# KiCad board cm4-baseboard.kicad_pcb (continued)
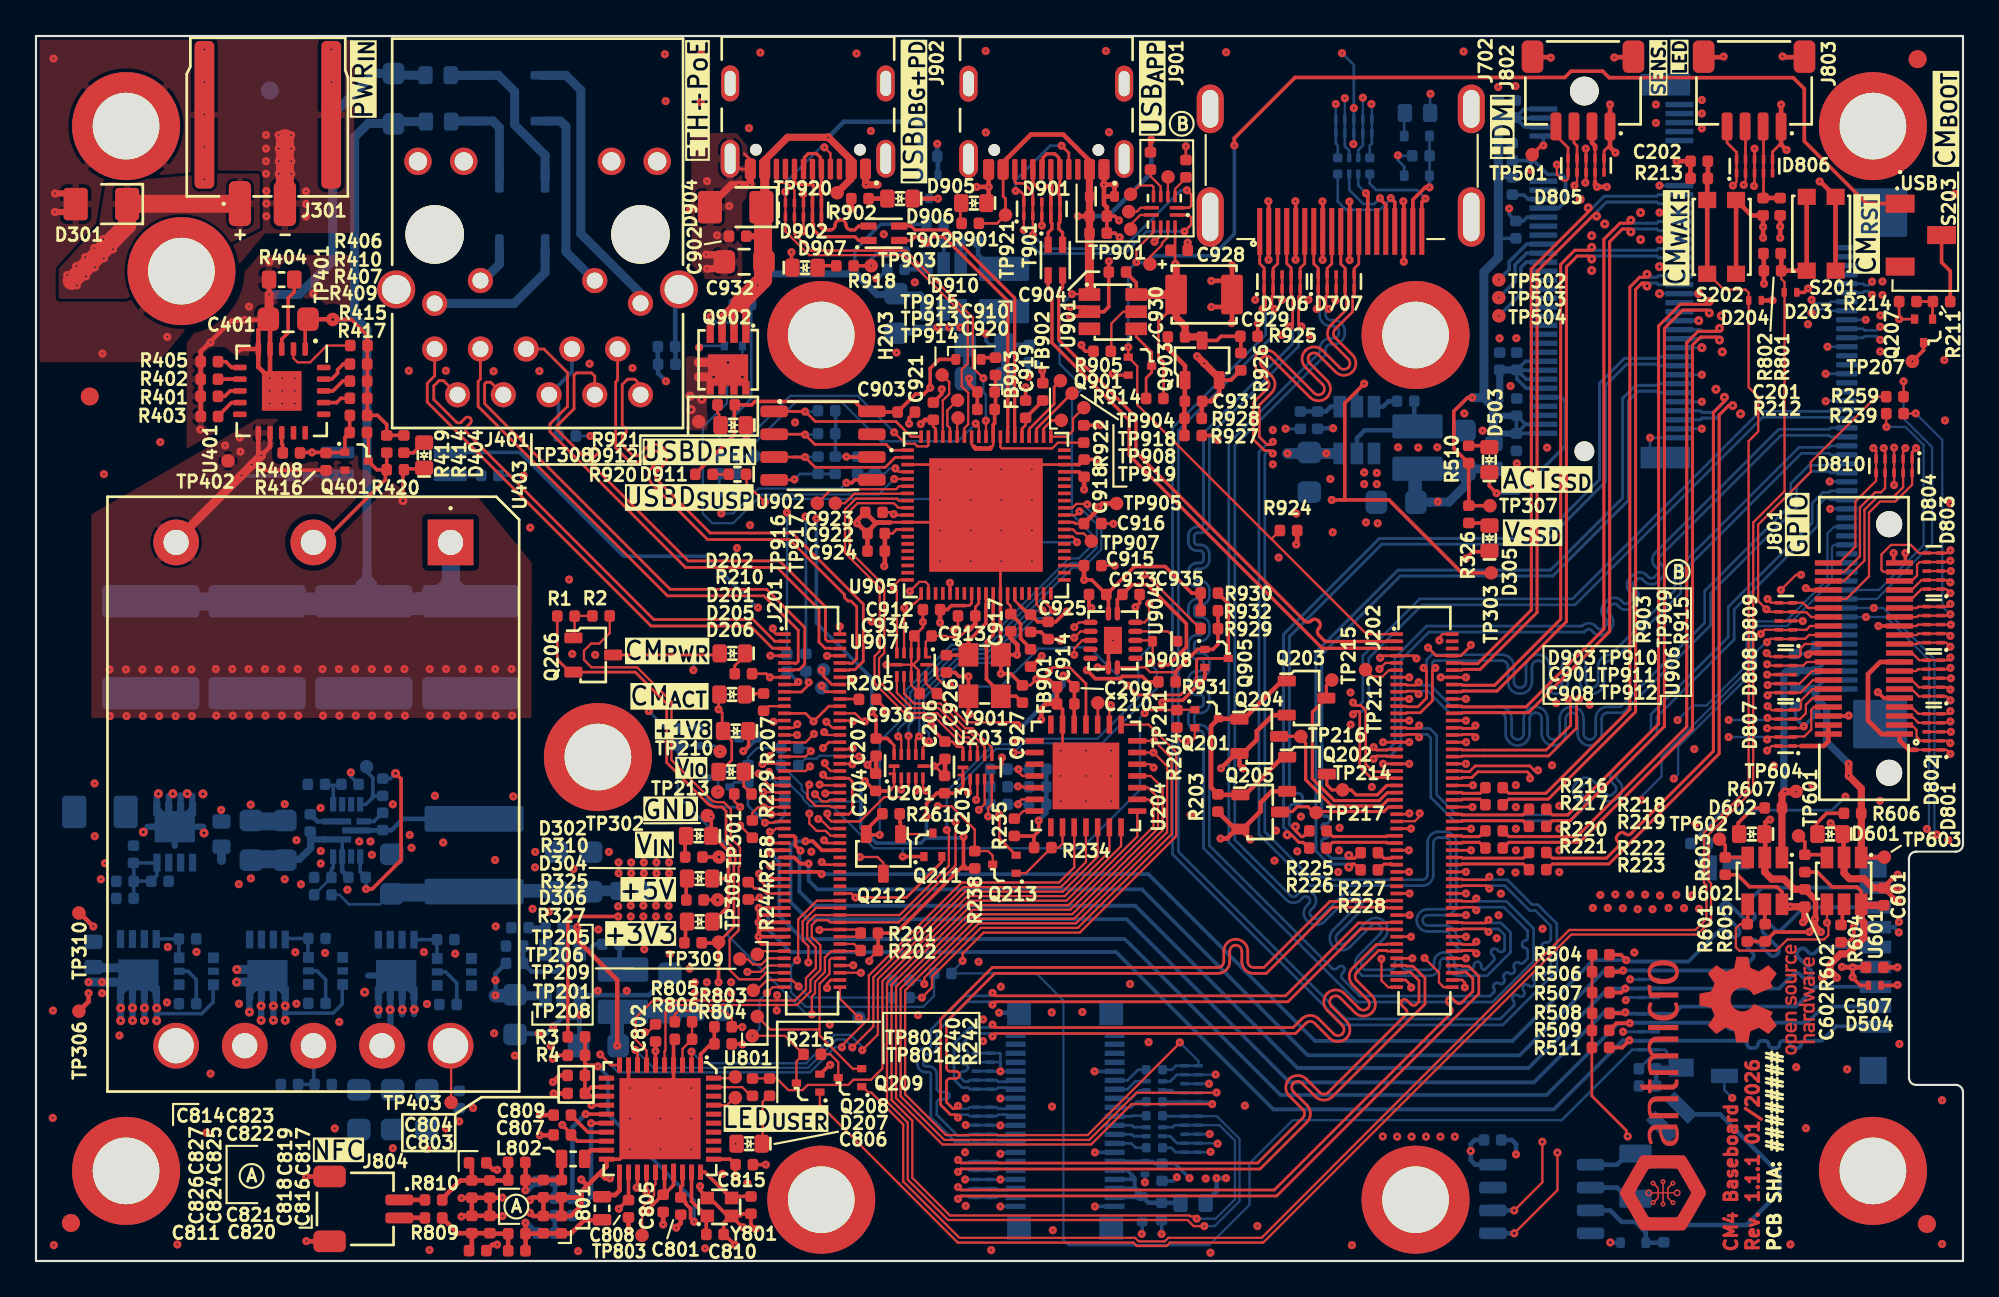
[diagram p0: board, top side]
## Routing (per net, layer and track width the routed paths; a pad name or vN(x,y) marks a point on that pad's centre or on a via; arc(x,y) is an arc through that point) (continued)
/Compute module/CM4_3V3: length 7.8
  Top w0.127: 45.58,18.4 J201.84 43.53,18.4 v1(43.5,18.38) ; 45.59,18 J201.86
  Top w0.15: R244.1 40.07,20.07 v1(40.17,20.17)
  In2.Cu w0.127: v1(40.17,20.17) 41.97,18.38 v1(43.5,18.38)
/Compute module/DSI.CLK_N: length 39.3
  Top w0.15: J202.87 75.03,17.6 75,17.56 74.41,17.56 73.11,16.27 arc(72.92,15.8) 73.11,15.33 73.95,14.49 arc(74.04,14.26) 73.95,14.02 arc(73.71,13.92) 73.47,14.02 72.64,14.85 arc(72.17,15.05) 71.7,14.85 arc(71.5,14.38) 71.7,13.91 72.53,13.08 arc(72.63,12.84) 72.53,12.61 arc(72.29,12.51) 72.06,12.61 71.23,13.44 arc(70.76,13.63) 70.28,13.44 69.81,12.96 53.27,12.96 v1(53.11,13.12)
  Bottom w0.15: v1(53.11,13.12) 52.95,12.96 51.87,12.96 50.97,12.07 50.97,10.07 51.42,9.62 51.76,9.62 51.84,9.54 D703.1 D703.10 53.33,9.54 53.42,9.62 53.65,9.62 53.66,9.61 53.91,9.61 53.99,9.53
/Compute module/DSI.CLK_P: length 39.3
  Top w0.15: J202.89 75.03,17.2 75,17.23 74.55,17.23 73.35,16.03 arc(73.25,15.8) 73.35,15.56 74.18,14.73 arc(74.37,14.26) 74.18,13.79 arc(73.71,13.59) 73.24,13.79 72.41,14.62 arc(72.17,14.72) 71.93,14.62 arc(71.83,14.38) 71.93,14.15 72.76,13.31 arc(72.96,12.84) 72.76,12.37 arc(72.29,12.18) 71.82,12.37 70.99,13.2 arc(70.76,13.3) 70.52,13.2 69.94,12.63 53.27,12.63 v1(53.11,12.47)
  Bottom w0.15: 52.97,10.04 D703.2 51.84,10.04 51.76,9.95 51.56,9.95 51.3,10.21 51.3,10.33 arc(51.36,10.47) 51.5,10.53 51.55,10.53 arc(51.69,10.59) 51.75,10.73 arc(51.69,10.87) 51.55,10.93 51.5,10.93 arc(51.36,10.99) 51.3,11.13 arc(51.36,11.27) 51.5,11.33 51.55,11.33 arc(51.69,11.39) 51.75,11.53 arc(51.69,11.67) 51.55,11.73 51.5,11.73 arc(51.36,11.79) 51.3,11.93 51.3,11.93 52,12.63 52.95,12.63 v1(53.11,12.47) ; 53.99,10.03 53.91,9.94 53.78,9.94 53.77,9.95 53.42,9.95 53.33,10.04 D703.9
/Compute module/DSI.D0_N: length 39.3
  Top w0.15: v1(51.2,7.96) 51.04,8.12 50.78,8.12 50.22,8.68 50.22,13.42 53.1,16.29 65.62,16.29 arc(65.86,16.39) 65.95,16.63 65.95,17.2 arc(66.15,17.67) 66.62,17.86 arc(67.09,17.67) 67.28,17.2 67.28,16.63 arc(67.38,16.39) 67.62,16.29 68.18,16.29 71.85,19.97 75,19.97 75.03,20 J202.75
  Bottom w0.135: v1(51.2,7.96) 51.36,8.12 51.76,8.12 51.84,8.04 D702.4
  Bottom w0.15: 53.99,8.03 53.91,8.11 53.74,8.11 53.73,8.12 53.42,8.12 53.33,8.04 D702.7 D702.4
/Compute module/DSI.D0_P: length 39.3
  Top w0.15: J202.77 75.03,19.6 75,19.63 71.99,19.63 68.32,15.97 67.62,15.97 arc(67.15,16.16) 66.95,16.63 66.95,17.2 arc(66.86,17.43) 66.62,17.53 arc(66.38,17.43) 66.28,17.2 66.28,16.63 arc(66.09,16.16) 65.62,15.97 53.24,15.97 50.55,13.28 50.55,10.73 arc(50.61,10.59) 50.75,10.53 51.07,10.53 arc(51.21,10.47) 51.27,10.33 arc(51.21,10.19) 51.07,10.13 50.75,10.13 arc(50.61,10.07) 50.55,9.93 50.55,8.82 50.92,8.45 51.04,8.45 v1(51.2,8.61)
  Bottom w0.135: v1(51.2,8.61) 51.36,8.46 51.76,8.46 51.84,8.54 D702.5
  Bottom w0.15: D702.5 D702.6 53.33,8.54 53.42,8.45 53.86,8.45 53.87,8.44 53.91,8.44 53.99,8.53
/Compute module/DSI.D1_N: length 39.5
  Top w0.135: v1(53.11,14.88) 53.28,14.71
  Top w0.15: v1(53.11,14.88) 53.27,14.72 69.39,14.72 73.43,18.76 75,18.76 75.03,18.8 J202.81
  Bottom w0.15: v1(53.11,14.88) 52.95,14.72 51.57,14.72 49.69,12.84 49.69,11.93 arc(49.65,11.85) 49.56,11.81 49.4,11.81 arc(49.08,11.68) 48.95,11.36 48.95,10.93 arc(49.08,10.61) 49.4,10.48 49.56,10.48 arc(49.65,10.44) 49.69,10.36 49.69,7.98 51.04,6.62 51.76,6.62 51.84,6.54 D702.1 D702.10 53.33,6.54 53.42,6.62 53.7,6.62 53.71,6.61 53.91,6.61 53.99,6.53
/Compute module/DSI.D1_P: length 39.5
  Top w0.135: v1(53.11,14.23) 53.28,14.4
  Top w0.15: v1(53.11,14.23) 53.27,14.39 69.52,14.39 73.57,18.44 75,18.44 75.03,18.4 J202.83
  Bottom w0.15: 52.97,7.04 D702.2 51.84,7.04 51.76,6.95 51.18,6.95 50.02,8.12 50.02,8.78 arc(50.07,8.92) 50.22,8.98 50.53,8.98 arc(50.68,9.04) 50.73,9.18 arc(50.68,9.32) 50.53,9.38 50.22,9.38 arc(50.07,9.44) 50.02,9.58 50.02,10.36 arc(49.88,10.68) 49.56,10.81 49.4,10.81 arc(49.32,10.85) 49.28,10.93 49.28,11.36 arc(49.32,11.44) 49.4,11.48 49.56,11.48 arc(49.88,11.61) 50.02,11.93 50.02,12.7 51.7,14.39 52.95,14.39 v1(53.11,14.23) ; D702.9 53.33,7.04 53.42,6.95 53.83,6.95 53.84,6.94 53.91,6.94 53.99,7.03
/Compute module/DSI.D2_N: length 39.3
  Top w0.15: v1(51.2,4.95) 51.36,5.11 53.4,5.11 53.4,5.1 67.97,5.1 70.57,7.71 arc(70.77,8.18) 70.57,8.65 69.83,9.4 arc(69.73,9.63) 69.83,9.87 arc(70.06,9.97) 70.3,9.87 71.05,9.12 arc(71.52,8.93) 71.99,9.12 77.12,14.26 77.12,15.7 76.46,16.37 76.12,16.37 76.08,16.4 J202.93
  Bottom w0.15: v1(51.2,4.95) 51.36,5.11 51.41,5.11 51.41,5.11 51.76,5.11 51.84,5.03 D701.4 D701.7 53.33,5.03 53.42,5.11 53.86,5.11 53.86,5.11 53.91,5.11 53.99,5.03
/Compute module/DSI.D2_P: length 39.3
  Top w0.15: J202.95 76.08,16 76.12,16.04 76.32,16.04 76.8,15.56 76.8,14.4 76.64,14.24 arc(76.5,14.18) 76.36,14.24 76.13,14.47 arc(75.99,14.53) 75.85,14.47 arc(75.79,14.33) 75.85,14.18 76.07,13.96 arc(76.13,13.82) 76.07,13.68 75.76,13.37 71.75,9.36 arc(71.52,9.26) 71.28,9.36 70.53,10.1 arc(70.06,10.3) 69.59,10.1 arc(69.4,9.63) 69.59,9.16 70.34,8.42 arc(70.44,8.18) 70.34,7.94 67.83,5.44 53.53,5.44 53.52,5.44 51.36,5.44 v1(51.2,5.6)
  Bottom w0.15: 53.99,5.53 53.91,5.44 53.74,5.44 53.73,5.44 53.42,5.44 53.33,5.53 D701.6 D701.5 51.84,5.53 51.76,5.44 51.54,5.44 51.54,5.44 51.36,5.44 v1(51.2,5.6)
/Compute module/DSI.D3_N: length 39.3
  Top w0.15: v1(51.2,3.45) 51.36,3.61 68.89,3.61 80.11,14.83 80.11,15.81 79.56,16.37 79.2,16.37 79.16,16.4 J202.94
  Bottom w0.15: 53.99,3.53 53.91,3.61 53.87,3.61 53.87,3.61 53.42,3.61 53.33,3.53 D701.10 D701.1 51.84,3.53 51.76,3.61 51.36,3.61 v1(51.2,3.45)
/Compute module/DSI.D3_P: length 39.3
  Top w0.15: v1(51.2,4.1) 51.36,3.94 68.76,3.94 78.48,13.67 78.59,13.78 arc(78.65,13.92) 78.59,14.06 78.37,14.28 arc(78.31,14.43) 78.37,14.57 arc(78.51,14.63) 78.65,14.57 78.88,14.34 arc(79.02,14.28) 79.16,14.34 79.78,14.97 79.78,15.67 79.42,16.04 79.2,16.04 79.16,16 J202.96
  Bottom w0.15: 53.99,4.03 53.91,3.94 53.75,3.94 53.74,3.94 53.42,3.94 53.33,4.02 D701.9 ; v1(51.2,4.1) 51.36,3.94 51.76,3.94 51.84,4.03 D701.2 52.97,4.03
/Compute module/DSICtrl.DIM: length 40.5
  Top w0.127: 39.77,23.49 39.1,24.16 v1(39.1,24.17)
  In2.Cu w0.127: v1(39.1,24.17) 38.95,24.02 38.95,17.53 40.82,15.66 44.27,15.66 49.82,10.11 63.57,10.11 63.81,10.35 v1(65.5,10.35)
  Bottom w0.127: D705.7 65.49,10.34 v1(65.5,10.35)
  Bottom w0.15: R706.6 62.99,9.97 63.35,10.34 D705.4 D705.7
/Compute module/DSICtrl.EN: length 48.8
  Top w0.127: U204.23 61.75,25.62 62.05,25.32 62.05,24.12 57.43,19.5 52.03,19.5 47.76,15.23 47.76,9.04 50.33,6.47 58.59,6.47 60.83,8.71 v1(65.31,8.71)
  Bottom w0.127: v1(65.31,8.71) 65.18,8.84 D705.10
  Bottom w0.15: D705.1 D705.10 ; R706.8 63.77,8.84
/Compute module/DSICtrl.GPIO: length 49.9
  Top w0.127: U204.25 61.9,26.92 62.55,26.27 62.55,23.91 57.64,18.99 52.24,18.99 48.26,15.02 48.26,9.25 50.52,6.99 58.4,6.99 63.51,12.11 v1(63.51,12.13)
  Bottom w0.127: D705.6 64.55,11.1 v1(63.51,12.13)
  Bottom w0.15: D705.6 D705.5 63.3,10.84 63.07,10.61 R706.5
/Compute module/DSICtrl.IRQ1: length 56.6
  Top w0.127: U204.22 61.15,23.57 57.33,19.75 51.92,19.75 47.5,15.33 47.5,8.94 48.66,7.79 48.66,4.62 50.75,2.53 64.04,2.53 64.1,2.47 64.33,2.47 v1(64.45,2.35)
  Bottom w0.127: v1(64.45,2.35) 65.5,2.35 66.58,3.42 66.58,6.67 65.71,7.54 D704.7
  Bottom w0.15: D704.7 D704.4 63.24,7.54 63.12,7.42 R705.6
/Compute module/DSICtrl.~{IRQ2}: length 56.9
  Top w0.127: v1(64.87,1.94) 64.28,1.94 63.94,2.28 50.64,2.28 48.4,4.51 48.4,7.68 47.25,8.84 47.25,15.43 51.82,20 57.22,20 60.25,23.03 U204.21
  Bottom w0.127: D704.6 65.57,8.04 66.83,6.78 66.83,3.32 65.44,1.94 v1(64.87,1.94)
  Bottom w0.15: 62.57,8.04 D704.5 D704.6
/Compute module/DSICtrl.~{RST}: length 49.7
  Top w0.127: v1(65.55,9.35) 65.54,9.34 61.1,9.34 58.48,6.72 50.44,6.72 48.01,9.15 48.01,15.12 52.13,19.25 57.54,19.25 62.3,24.01 62.3,25.72 61.75,26.28 U204.24
  Bottom w0.127: D705.9 65.54,9.34 v1(65.55,9.35)
  Bottom w0.15: D705.9 63.78,9.34 ; D705.2 63.21,9.34 63.08,9.47 R706.7
/Compute module/ETHERNET.D0_N: length 28.7
  Top w0.153: J401.2 32.3,48.91 32.19,48.8 32.19,45.15 32.81,44.53 arc(33.29,44.33) 33.77,44.53 34.12,44.88 arc(34.35,44.97) 34.57,44.88 arc(34.66,44.65) 34.57,44.42 34.22,44.08 arc(34.03,43.6) 34.22,43.11 37.29,40.05 41.84,40.05 44.89,37 44.89,36.84 45.09,36.63 45.25,36.63 45.58,36.31 45.58,33.44 45.31,33.18 45.19,33.18 45.16,33.2 J201.10
/Compute module/ETHERNET.D0_P: length 28.7
  Top w0.153: 33.57,48.63 33.25,48.95 32.85,48.95 32.55,48.65 32.55,46.4 arc(32.58,46.32) 32.66,46.29 arc(32.74,46.26) 32.77,46.18 32.77,46 arc(32.74,45.92) 32.66,45.89 arc(32.58,45.86) 32.55,45.78 32.55,45.3 33.07,44.78 arc(33.29,44.69) 33.52,44.78 33.86,45.13 arc(34.35,45.33) 34.83,45.13 arc(35.03,44.65) 34.83,44.17 34.48,43.82 arc(34.39,43.6) 34.48,43.37 37.44,40.41 41.99,40.41 45.94,36.46 45.94,33.29 45.47,32.82 45.19,32.82 45.16,32.8 J201.12
/Compute module/ETHERNET.D1_N: length 28.7
  Top w0.153: J201.6 44.11,34 44.09,34.02 43.81,34.02 43.47,34.36 43.47,36.18 41.15,38.5 36.06,38.5 28.54,46.02 28.54,46.47 29.51,47.44 29.51,49.31 28.2,50.62 J401.6
/Compute module/ETHERNET.D1_P: length 28.7
  Top w0.153: J201.4 43.95,34.4 43.84,34.51 43.84,36.31 41.29,38.86 36.21,38.86 30.86,44.21 arc(30.8,44.35) 30.86,44.49 31.16,44.79 arc(31.21,44.93) 31.16,45.07 arc(31.01,45.13) 30.87,45.07 30.58,44.78 arc(30.44,44.72) 30.3,44.78 28.92,46.16 28.92,46.35 29.88,47.31 29.88,49.17 30,49.3 30.85,49.3 31.03,49.12 J401.3
/Compute module/ETHERNET.D2_N: length 28.7
  Top w0.153: J201.9 42.08,33.2 42.1,33.18 42.22,33.18 42.33,33.29 42.33,35.01 40.41,36.92 35.06,36.92 24.55,47.44 24.55,48.84 24.68,48.96 J401.8
/Compute module/ETHERNET.D2_P: length 28.7
  Top w0.15: 42.27,32.82 42.09,32.82 42.08,32.8
  Top w0.153: J401.7 25.25,48.78 25.01,48.78 24.91,48.69 24.91,47.59 35.21,37.29 40.56,37.29 42.69,35.16 42.69,33.14 42.37,32.82 42.27,32.82 ; 42.08,32.8 J201.11
/Compute module/ETHERNET.D3_N: length 28.6
  Top w0.153: J201.5 41.14,34 41.12,34.02 40.9,34.02 39.66,35.25 34.15,35.25 21.72,47.67 21.72,48.72 22.14,49.14 J401.10
/Compute module/ETHERNET.D3_P: length 28.6
  Top w0.153: J401.9 22.62,48.88 22.39,48.88 22.09,48.58 22.09,47.82 23.34,46.58 arc(23.48,46.52) 23.62,46.58 23.83,46.79 arc(23.97,46.85) 24.12,46.79 arc(24.17,46.65) 24.12,46.51 23.9,46.29 arc(23.84,46.15) 23.9,46.01 34.3,35.61 39.81,35.61 41.02,34.4 J201.3
/Compute module/ETHERNET.LED_ACT: length 1.7
  Top w0.15: J201.15 42.19,32 v1(42.33,32.14)
  Bottom w0.2: v1(42.33,32.14) 41.7,32.77
/Compute module/ETHERNET.LED_LINK: length 2.3
  Top w0.15: 41.57,31.59 42.5,31.59 42.9,31.98 v1(42.9,32.12)
  Bottom w0.15: 42.75,32.69 42.75,32.27 v1(42.9,32.12)
/Compute module/ExpanderINT: length 4.2
  Top w0.127: U204.16 57,23.16 56.79,22.95 56.38,22.95 54.96,21.53 Q213.1
/Compute module/GPIO.0/SDA0: length 103.1
  Top w0.127: v1(104.37,47.05) 104.17,47.05 104.16,47.04 103.7,47.04 ; v1(45.71,28) 45.18,28 45.17,28 J201.36 ; J801.27 104.45,35.75 104.52,35.82 D803.7 D803.4 106.23,35.82 v1(106.3,35.9)
  In2.Cu w0.127: v1(88.52,20.34) 88.52,19 82.28,12.75 70.95,12.75 62.24,21.46 50.1,21.46 49.54,22.02 49.53,22.02 45.58,25.98 45.58,26.91 45.76,27.09 45.76,27.96 v1(45.71,28)
  In3.Cu w0.127: v1(88.52,20.34) 88.52,20.45 90.55,22.48 99.22,22.48 101.57,24.83 101.57,24.87 101.61,24.92 101.61,31.85 105.66,35.9 v1(106.3,35.9)
  Bottom w0.127: v1(104.37,47.05) 105.85,45.57 105.85,36.34 106.29,35.9 v1(106.3,35.9) ; v1(45.71,28) 45.21,28 45.17,28.05 43.5,28.05 43.34,27.89 42.72,27.89 42.33,27.5
/Compute module/GPIO.1/SCL0: length 109.8
  Top w0.127: 102.73,47.98 102.18,47.98 98.55,44.35 98.55,43.8 95.62,40.88 95.62,36.64 v1(96.08,36.18) ; 96.77,36.03 97.55,36.03 ; 96.27,36.03 96.12,36.18 v1(96.08,36.18) ; J801.28 98.57,35.75 98.3,36.01 97.57,36.01 ; v1(43.02,28.3) 42.72,28 J201.35 ; v1(96.08,36.18) 96.22,36.04 D809.7
  In2.Cu w0.127: v1(43.02,28.3) 42.52,27.8 42.52,24.45 43.17,23.8 43.9,23.8 44.37,23.33 44.37,20.32 45.75,18.94 61.19,18.94 69.91,10.23 90.54,10.23 92.76,12.45 92.76,25.89 94.45,27.58 94.45,35.24 95.38,36.18 v1(96.08,36.18)
  Bottom w0.127: 42.33,28.47 42.85,28.47 v1(43.02,28.3)
/Compute module/GPIO.2: length 89
  Top w0.127: 104.15,29.75 104.42,29.48 104.42,29.1 104.65,28.87 D801.9 D801.2 106.25,28.88 ; 106.17,28.88 v1(106.3,28.75) ; J201.58 44.12,23.6 43.85,23.88 43.35,23.88 42.94,24.29 v1(42.94,24.84)
  In2.Cu w0.127: v1(92.34,19.55) 92.24,19.45 92.24,12.33 90.39,10.48 70.01,10.48 61.3,19.2 47.19,19.2 44.62,21.76 44.62,23.43 44,24.05 43.33,24.05 42.94,24.45 v1(42.94,24.84)
  In3.Cu w0.127: v1(106.3,28.75) 105.89,28.34 105.89,25.94 100.13,20.18 92.97,20.18 v1(92.34,19.55)
/Compute module/GPIO.3: length 88
  Top w0.127: v1(43.43,24.53) 43.55,24.53 44.08,24 J201.56 ; v1(106.3,29.95) 106.23,29.88 D801.4 D801.7 104.52,29.88 104.15,30.25
  In2.Cu w0.127: v1(43.43,24.53) 43.55,24.42 44.22,24.42 44.9,23.74 44.9,21.84 47.3,19.45 61.4,19.45 70.11,10.74 90.29,10.74 91.99,12.44 91.99,17.06 91.92,17.13 91.92,20.28 v1(91.95,20.3)
  In3.Cu w0.127: v1(106.3,29.95) 105.63,29.28 105.63,26.04 100.02,20.43 92.08,20.43 v1(91.95,20.3)
/Compute module/GPIO.4/TXD3: length 93
  Top w0.127: 104.15,30.75 104.52,30.38 D801.6 D801.5 106.15,30.38 v1(106.3,30.53) ; v1(43.94,24.84) 43.94,24.62 44.16,24.4 J201.54 ; U201.3 48.45,26 48.21,25.75 47.1,25.75 45.75,24.4 44.64,24.4
  In2.Cu w0.127: v1(43.94,24.84) 44.16,24.84 45.17,23.82 45.17,21.92 47.4,19.7 61.51,19.7 70.22,10.99 90.19,10.99 91.74,12.54 91.74,16.96 91.51,17.18 v1(91.51,19.59)
  In3.Cu w0.127: v1(91.51,19.59) 91.51,20.56 91.67,20.72 99.95,20.72 105.38,26.15 105.38,29.62 106.29,30.53 v1(106.3,30.53)
/Compute module/GPIO.5/RXD3: length 91.9
  Top w0.127: J801.29 104.45,36.25 104.52,36.32 D803.6 D803.5 106.15,36.32 v1(106.3,36.47) ; U201.2 48.05,26.18 v1(48.04,26.17) ; J201.34 45.06,28.4 45.12,28.45 v1(45.35,28.45)
  In2.Cu w0.127: v1(45.35,28.45) 45.85,28.45 46.6,27.7 46.6,25.31 49.64,22.27 49.64,22.27 50.2,21.72 62.34,21.72 71.05,13 82.17,13 88.11,18.94 88.11,19.72
  In3.Cu w0.127: v1(88.11,19.58) 88.11,20.51 90.33,22.73 99.12,22.73 101.32,24.93 101.32,31.91 105.88,36.47 v1(106.3,36.47) ; v1(48.04,26.17) 48.04,26.71 46.3,28.45 v1(45.35,28.45)
/Compute module/GPIO.6: length 88.9
  Top w0.127: J201.30 43.92,29.2 v1(43.76,29.36) ; 104.15,36.75 104.7,37.3 D804.10 D804.1 106.08,37.3 v1(106.3,37.07)
  In2.Cu w0.127: v1(87.7,20.35) 87.7,18.88 82.07,13.26 71.16,13.26 62.45,21.97 50.31,21.97 46.85,25.42 46.85,27.81 45.38,29.28 43.84,29.28 v1(43.76,29.36)
  In3.Cu w0.127: v1(87.7,20.35) 87.7,20.45 90.23,22.98 99.01,22.98 101.06,25.04 101.06,32.02 106.12,37.07 v1(106.3,37.07)
/Compute module/GPIO.7: length 94
  Top w0.127: J201.37 40.35,27.6 v1(40.34,27.59) ; D809.2 98.3,35.04 98.52,35.25 J801.26 ; 96.77,35.03 97.55,35.03 ; v1(95.78,34.81) 95.78,34.82 96,35.04 D809.9
  In2.Cu w0.127: v1(40.34,27.59) 40.84,27.59 41.5,26.93 41.5,21.77 45.33,17.94 60.78,17.94 69.49,9.22 90.95,9.22 93.77,12.04 93.77,25.47 94.65,26.35 94.65,26.35 95.46,27.16 95.46,34.49 v1(95.78,34.81)
/Compute module/GPIO.8/TXD4: length 77
  Top w0.127: D809.1 98.24,34.54 98.45,34.75 J801.24 ; v1(49.44,26.1) 49.25,26.29 U201.5 ; D809.10 96.31,34.54 v1(96.12,34.35) ; v1(42.98,27.45) 42.73,27.2 J201.39 ; 96.77,34.53 97.55,34.53
  In2.Cu w0.127: v1(90.94,26.78) 90.94,26.29 85.2,20.56 85.2,18.91 81.9,15.6 71.33,15.6 63.19,23.74 55.26,23.74 52.54,26.46 49.8,26.46 v1(49.44,26.1)
  In3.Cu w0.127: v1(49.44,26.1) 49.44,25.67 49.27,25.5 42.87,25.5 42.51,25.86 42.51,26.73 42.98,27.2 v1(42.98,27.45)
  Bottom w0.127: v1(96.12,34.35) 96.05,34.35 95.49,33.79 95.49,32.86 91.18,28.55 91.18,27.02 v1(90.94,26.78)
/Compute module/GPIO.9/RXD4: length 93.4
  Top w0.127: v1(106.3,34.1) 106.08,34.32 D803.1 D803.10 104.52,34.32 104.45,34.25 J801.21 ; v1(43.8,27.64) 43.8,27.53 44.12,27.2 J201.40 ; v1(48.86,26.11) 48.85,26.12 U201.4
  In2.Cu w0.127: v1(89.35,20.34) 89.35,19.11 82.49,12.25 70.74,12.25 62.03,20.96 48.93,20.96 46.44,23.46 46.44,24.41 45.05,25.79 45.05,26.39 v1(43.8,27.64)
  In3.Cu w0.127: v1(106.3,34.1) 104.12,31.92 104.12,26.67 99.43,21.98 90.88,21.98 89.35,20.45 v1(89.35,20.34) ; v1(43.8,27.64) 44.39,27.05 46.2,27.05 47.5,25.75 48.51,25.75 v1(48.86,26.11)
/Compute module/GPIO.10: length 86.7
  Top w0.127: v1(43.51,26.45) 43.56,26.4 44.63,26.4 ; J801.19 104.17,33.75 104.58,33.35 D802.6 D802.5 106.15,33.35 v1(106.3,33.5)
  In2.Cu w0.127: v1(43.51,26.45) 43.54,26.42 44.04,26.42 46.19,24.28 46.19,23.35 48.83,20.71 61.92,20.71 70.64,12 82.59,12 89.76,19.17 89.76,19.67
  In3.Cu w0.127: 89.76,20.15 v1(89.76,19.53) ; 89.76,20.15 89.76,20.46 ; 89.76,20.15 89.76,20.46 ; v1(106.3,33.5) 106.06,33.5 104.37,31.82 104.37,26.57 99.53,21.72 91.03,21.72 89.76,20.46
/Compute module/GPIO.11: length 86.1
  Top w0.127: J801.23 104.45,34.75 104.52,34.82 D803.9 D803.2 106.17,34.82 v1(106.3,34.7) ; v1(45.33,27.57) 45.3,27.6 J201.38
  In2.Cu w0.127: v1(45.33,27.57) 45.33,25.87 49.43,21.77 49.44,21.77 49.99,21.21 62.13,21.21 70.84,12.5 82.38,12.5 88.94,19.05 88.94,19.67
  In3.Cu w0.127: v1(106.3,34.7) 104.82,34.7 101.86,31.75 101.86,24.81 101.82,24.77 101.82,24.72 99.32,22.23 90.66,22.23 88.94,20.51 v1(88.94,19.53)
/Compute module/GPIO.12/RXD5: length 103.5
  Top w0.127: 104.18,44.9 v1(104.4,45.13) ; 41.57,28.79 42.73,28.79 v1(43.2,29.26) ; U203.4 52.67,25.36 v1(52.36,25.04) ; J801.32 100.52,36.75 101.78,38.01 101.78,41.54 102.4,42.16 103.24,42.16 104.17,43.09 D810.10 ; 104.17,43.74 104.17,44.51
  Top w0.15: v1(104.4,45.13) 104.17,44.9 D810.1
  In2.Cu w0.127: v1(52.36,25.04) 52.36,24.58 53.46,23.48 63.09,23.48 71.81,14.77 81.44,14.77 85.49,18.81 85.49,20.45 93.22,28.18 93.22,34.64 101.32,42.74 101.32,45.4 101.73,45.82 103.71,45.82 v1(104.4,45.13)
  In3.Cu w0.127: v1(52.36,25.04) 52.42,25.04 52.62,25.25 52.62,26.28 50.94,27.96 47.14,27.96 46.16,28.95 43.48,28.95 43.2,29.23 v1(43.2,29.26)
/Compute module/GPIO.13/TXD5: length 102.7
  Top w0.127: J201.28 44.22,29.6 v1(43.88,29.93) ; 104.15,37.25 104.7,37.8 D804.9 105.76,37.8 ; D804.2 106.25,37.8 ; 106.17,37.8 v1(106.3,37.68) ; v1(52.87,24.68) 52.87,25.14 53.08,25.35 U203.5
  In2.Cu w0.127: v1(43.88,29.93) 44.28,29.54 45.48,29.54 47.1,27.92 47.1,25.53 50.41,22.22 62.55,22.22 71.26,13.51 81.97,13.51 87.11,18.66 87.11,19.59 87.28,19.75
  In3.Cu w0.127: v1(43.88,29.93) 44.62,29.2 46.26,29.2 47.25,28.22 51.21,28.22 52.87,26.55 52.87,24.69 v1(52.87,24.68) ; v1(106.3,37.68) 100.17,31.55 100.17,26.18 97.23,23.24 90,23.24 87.28,20.51 v1(87.28,19.6)
/Compute module/GPIO.14/RXD0: length 76.9
  Top w0.127: U203.2 51.87,26.13 v1(51.75,26.01) ; J201.51 40.84,24.8 v1(40.83,24.79) ; D807.9 96.26,29.09 v1(96.12,28.95) ; J801.8 98.73,30.75 98.58,30.6 98.58,29.5 98.19,29.11 97.54,29.11 ; 96.77,29.07 97.55,29.07
  In2.Cu w0.127: v1(51.75,26.01) 51.67,25.93 51.67,24.55 53.25,22.98 62.86,22.98 71.58,14.26 81.65,14.26 85.99,18.61 85.99,20.24 93.99,28.23 v1(93.99,29.09)
  In3.Cu w0.127: v1(40.83,24.79) 41.54,24.07 44.08,24.07 44.95,23.2 48.91,23.2 51.71,26.01 v1(51.75,26.01)
  Bottom w0.127: v1(93.99,29.09) 95.99,29.09 v1(96.12,28.95)
/Compute module/GPIO.15/TXD0: length 76.9
  Top w0.127: D807.4 97.96,30.09 98.27,30.4 98.27,30.88 98.65,31.25 J801.10 ; v1(52.2,25.6) 52.27,25.67 U203.3 ; D807.7 96.21,30.09 v1(96.15,30.15) ; 97.55,30.08 96.78,30.08 ; J201.55 41.08,24 40.9,23.82 v1(40.75,23.82)
  In2.Cu w0.127: v1(93.99,30.03) 93.47,29.52 93.47,28.08 85.74,20.35 85.74,18.71 81.55,14.52 71.68,14.52 62.97,23.23 53.35,23.23 51.93,24.65 51.93,25.32 v1(52.2,25.6)
  In3.Cu w0.127: v1(40.75,23.82) 40.75,23.82 43.98,23.82 44.85,22.95 49.01,22.95 51.66,25.6 v1(52.2,25.6)
  Bottom w0.127: v1(96.15,30.15) 96.03,30.03 v1(93.99,30.03)
/Compute module/GPIO.16: length 115.2
  Top w0.127: D810.9 103.68,42.95 103.14,42.42 102.24,42.42 101.53,41.7 101.53,38.88 100.4,37.75 J801.36 ; 103.67,44.51 103.67,45 v1(103.8,45.12) ; 103.68,43.74 103.68,44.51 ; v1(42.26,29.2) J201.29
  In2.Cu w0.127: v1(42.26,29.2) 42.02,28.96 42.02,21.96 45.54,18.44 60.99,18.44 69.7,9.73 90.75,9.73 93.26,12.24 93.26,25.68 94.95,27.37 94.95,35.04 95.42,35.5 96.45,35.5 97.3,36.35 97.3,38.36 101.58,42.64 101.58,45.3 101.84,45.56 103.36,45.56 v1(103.8,45.12)
/Compute module/GPIO.17: length 94.6
  Top w0.127: 104.15,31.75 104.55,31.35 D802.10 D802.1 106.08,31.35 v1(106.3,31.12) ; Q212.3 47.05,22.1 46.72,22.42 v1(45.75,22.42) ; J201.50 44.16,25.2 44.1,25.26 43.29,25.26 42.84,25.71 42.84,26.35 v1(42.94,26.45)
  In2.Cu w0.127: v1(45.75,22.42) 45.43,22.42 ; 45.43,22.42 45.43,22.03 47.5,19.95 61.61,19.95 70.32,11.24 90.08,11.24 91.49,12.65 91.49,16.85 91.08,17.26 v1(91.08,20.32) ; 45.43,22.42 45.43,23.96 44.14,25.25 43.2,25.25 42.84,25.61 42.84,26.35 v1(42.94,26.45)
  In3.Cu w0.127: v1(91.08,20.32) 91.08,20.48 91.57,20.97 99.85,20.97 105.13,26.25 105.13,29.96 v1(106.3,31.12)
/Compute module/GPIO.18: length 93.9
  Top w0.127: J801.12 98.65,31.75 98,31.1 98,30.67 97.91,30.59 D807.5 ; 97.5,30.57 96.39,30.57 ; 39.77,24.55 39.77,24.88 40.08,25.18 v1(40.41,25.18) 40.43,25.2 J201.49 ; 96.37,30.57 v1(96.15,30.8)
  In2.Cu w0.127: v1(40.41,25.18) 40.06,24.84 40.06,22.41 39.71,22.06 39.71,17.83 40.11,17.43 60.57,17.43 69.28,8.72 91.16,8.72 94.27,11.83 94.27,25.26 95.15,26.14 95.15,26.14 95.96,26.95 95.96,27.55 96.72,28.31 96.72,30.23 v1(96.15,30.8)
/Compute module/GPIO.19: length 87.8
  Top w0.127: v1(106.3,38.88) 106.23,38.8 D804.4 D804.7 104.6,38.8 104.45,38.65 104.45,38.05 104.15,37.75 ; J201.26 45.3,30 v1(45.35,29.95)
  In2.Cu w0.127: v1(45.35,29.95) 45.43,29.95 47.36,28.02 47.36,25.63 50.52,22.47 62.66,22.47 71.37,13.76 81.86,13.76 86.86,18.76 v1(86.86,20.32)
  In3.Cu w0.127: v1(106.3,38.88) 105.45,38.03 105.45,37.18 99.92,31.65 99.92,26.29 97.12,23.49 89.9,23.49 86.86,20.45 v1(86.86,20.32)
/Compute module/GPIO.20: length 112.1
  Top w0.127: v1(96.89,37.25) 97.73,38.09 v1(98.01,38.09) ; 102.67,43.74 102.67,44.51 ; 102.68,45.05 v1(102.6,45.13) ; v1(42.27,29.8) 42.07,29.6 J201.27 ; J801.38 100.4,38.25 101.28,39.12 101.28,41.82 102.12,42.67 102.44,42.67 102.67,42.9 D810.7
  Top w0.15: D810.4 102.67,45.05 v1(102.6,45.13)
  In2.Cu w0.127: v1(96.89,37.25) 96.89,36.3 96.34,35.75 95.32,35.75 94.7,35.14 94.7,27.48 93.01,25.78 93.01,12.35 90.64,9.98 69.8,9.98 61.09,18.69 45.65,18.69 44.12,20.22 44.12,22.3 43.22,23.2 43.22,23.39 42.27,24.35 42.27,28.13 42.67,28.53 42.67,29.4 v1(42.27,29.8) ; v1(98.01,38.09) 98.01,38.36 102.63,42.98 102.63,45.09 v1(102.6,45.13)
/Compute module/GPIO.21: length 111.8
  Top w0.127: 100.12,38.75 101.02,39.65 101.02,42.16 102.17,43.31 D810.6 ; v1(40.95,29.94) 41.01,30 J201.25 ; 102.17,43.74 102.17,44.51 ; 102.18,44.98 v1(102.03,45.13)
  Top w0.15: v1(102.03,45.13) 102.17,44.98 D810.5
  In2.Cu w0.127: v1(102.03,45.13) 102.03,42.73 97.55,38.26 97.55,36.02 96.79,35.25 95.52,35.25 95.21,34.93 95.21,27.27 94.39,26.46 94.39,26.45 93.51,25.57 93.51,12.14 90.85,9.48 69.59,9.48 60.88,18.19 45.44,18.19 41.75,21.87 41.75,29.13 v1(40.95,29.93)
/Compute module/GPIO.22: length 84.9
  Top w0.127: v1(106.3,32.92) 106.23,32.85 D802.4 D802.7 104.5,32.85 104.4,32.75 J801.15 ; v1(43.83,25.95) 43.87,26 J201.46
  In2.Cu w0.127: v1(43.83,25.95) 44.15,25.95 45.93,24.17 45.93,23.25 48.73,20.46 61.82,20.46 70.53,11.75 82.7,11.75 90.18,19.23 v1(90.18,20.29)
  In3.Cu w0.127: v1(90.18,20.29) 90.18,20.4 91.25,21.47 99.64,21.47 104.63,26.46 104.63,31.25 v1(106.3,32.92)
/Compute module/GPIO.23: length 111.3
  Top w0.127: 96.77,32.05 97.55,32.05 ; J801.16 98.63,32.75 97.92,32.05 D808.2 ; D808.9 96.22,32.05 v1(96.15,31.97) ; J201.47 40.8,25.6 v1(40.79,25.61) ; v1(50.08,25.25) 50.83,25.25 52.12,23.95 52.12,22.76 52.86,22.76 53.12,22.5 Q213.3
  In2.Cu w0.127: v1(96.15,31.97) 96.67,31.97 97.25,31.4 97.25,27.14 95.93,25.82 95.93,25.82 95.05,24.93 95.05,11.5 91.49,7.94 68.94,7.94 65.69,11.19 49.54,11.19 44.58,16.16 41.02,16.16 39.46,17.72 39.46,22.17 39.77,22.48 39.77,25.14 40.25,25.61 v1(40.79,25.61)
  In3.Cu w0.127: v1(50.08,25.25) 41.15,25.25 v1(40.79,25.61)
/Compute module/GPIO.24: length 98.6
  Top w0.127: J801.18 98.33,33.25 98.12,33.05 D808.4 ; v1(96.12,33.12) 96.2,33.05 D808.7 ; J201.45 41.08,26 41.05,26.03 v1(40.38,26.03) ; 96.77,33.05 97.55,33.05
  In2.Cu w0.127: v1(40.38,26.03) 40.29,26.03 39.51,25.25 39.51,22.58 39.21,22.27 39.21,17.62 40.92,15.91 44.47,15.91 49.44,10.94 65.59,10.94 68.84,7.69 91.59,7.69 95.3,11.4 95.3,24.83 97.5,27.03 97.5,31.76 96.13,33.12 v1(96.12,33.12)
/Compute module/GPIO.25: length 92.7
  Top w0.127: D808.5 97.9,33.55 97.98,33.62 97.98,34 98.23,34.25 J801.22 ; 96.77,33.55 97.55,33.55 ; D808.6 96.3,33.55 v1(96.1,33.75) ; v1(40.7,27.14) 41.04,26.8 J201.41
  In2.Cu w0.127: v1(96.1,33.75) 95.71,33.36 95.71,27.06 94.9,26.25 94.9,26.24 94.02,25.36 94.02,11.93 91.06,8.97 69.38,8.97 60.67,17.68 45.23,17.68 41.25,21.66 41.25,26.6 v1(40.7,27.14)
/Compute module/GPIO.26: length 91.8
  Top w0.127: v1(106.3,39.45) 106.15,39.3 D804.5 D804.6 104.55,39.3 104.1,39.75 103,39.75 102.48,39.22 102.48,38.37 102.6,38.25 J801.37 ; J201.24 45.48,30.4 45.93,29.95 v1(46.02,29.95)
  In2.Cu w0.127: 86.45,19.78 86.45,18.7 81.76,14.01 71.47,14.01 62.76,22.72 50.62,22.72 47.61,25.74 47.61,28.37 v1(46.02,29.95)
  In3.Cu w0.127: v1(106.3,39.45) 106.29,39.45 105.2,38.36 105.2,37.29 99.67,31.76 99.67,26.39 97.02,23.74 89.65,23.74 86.45,20.54 v1(86.45,19.6)
